# Altium PCB CM3_IO_V1.3_20220317.PcbDoc (part 6 of 7) (continued)
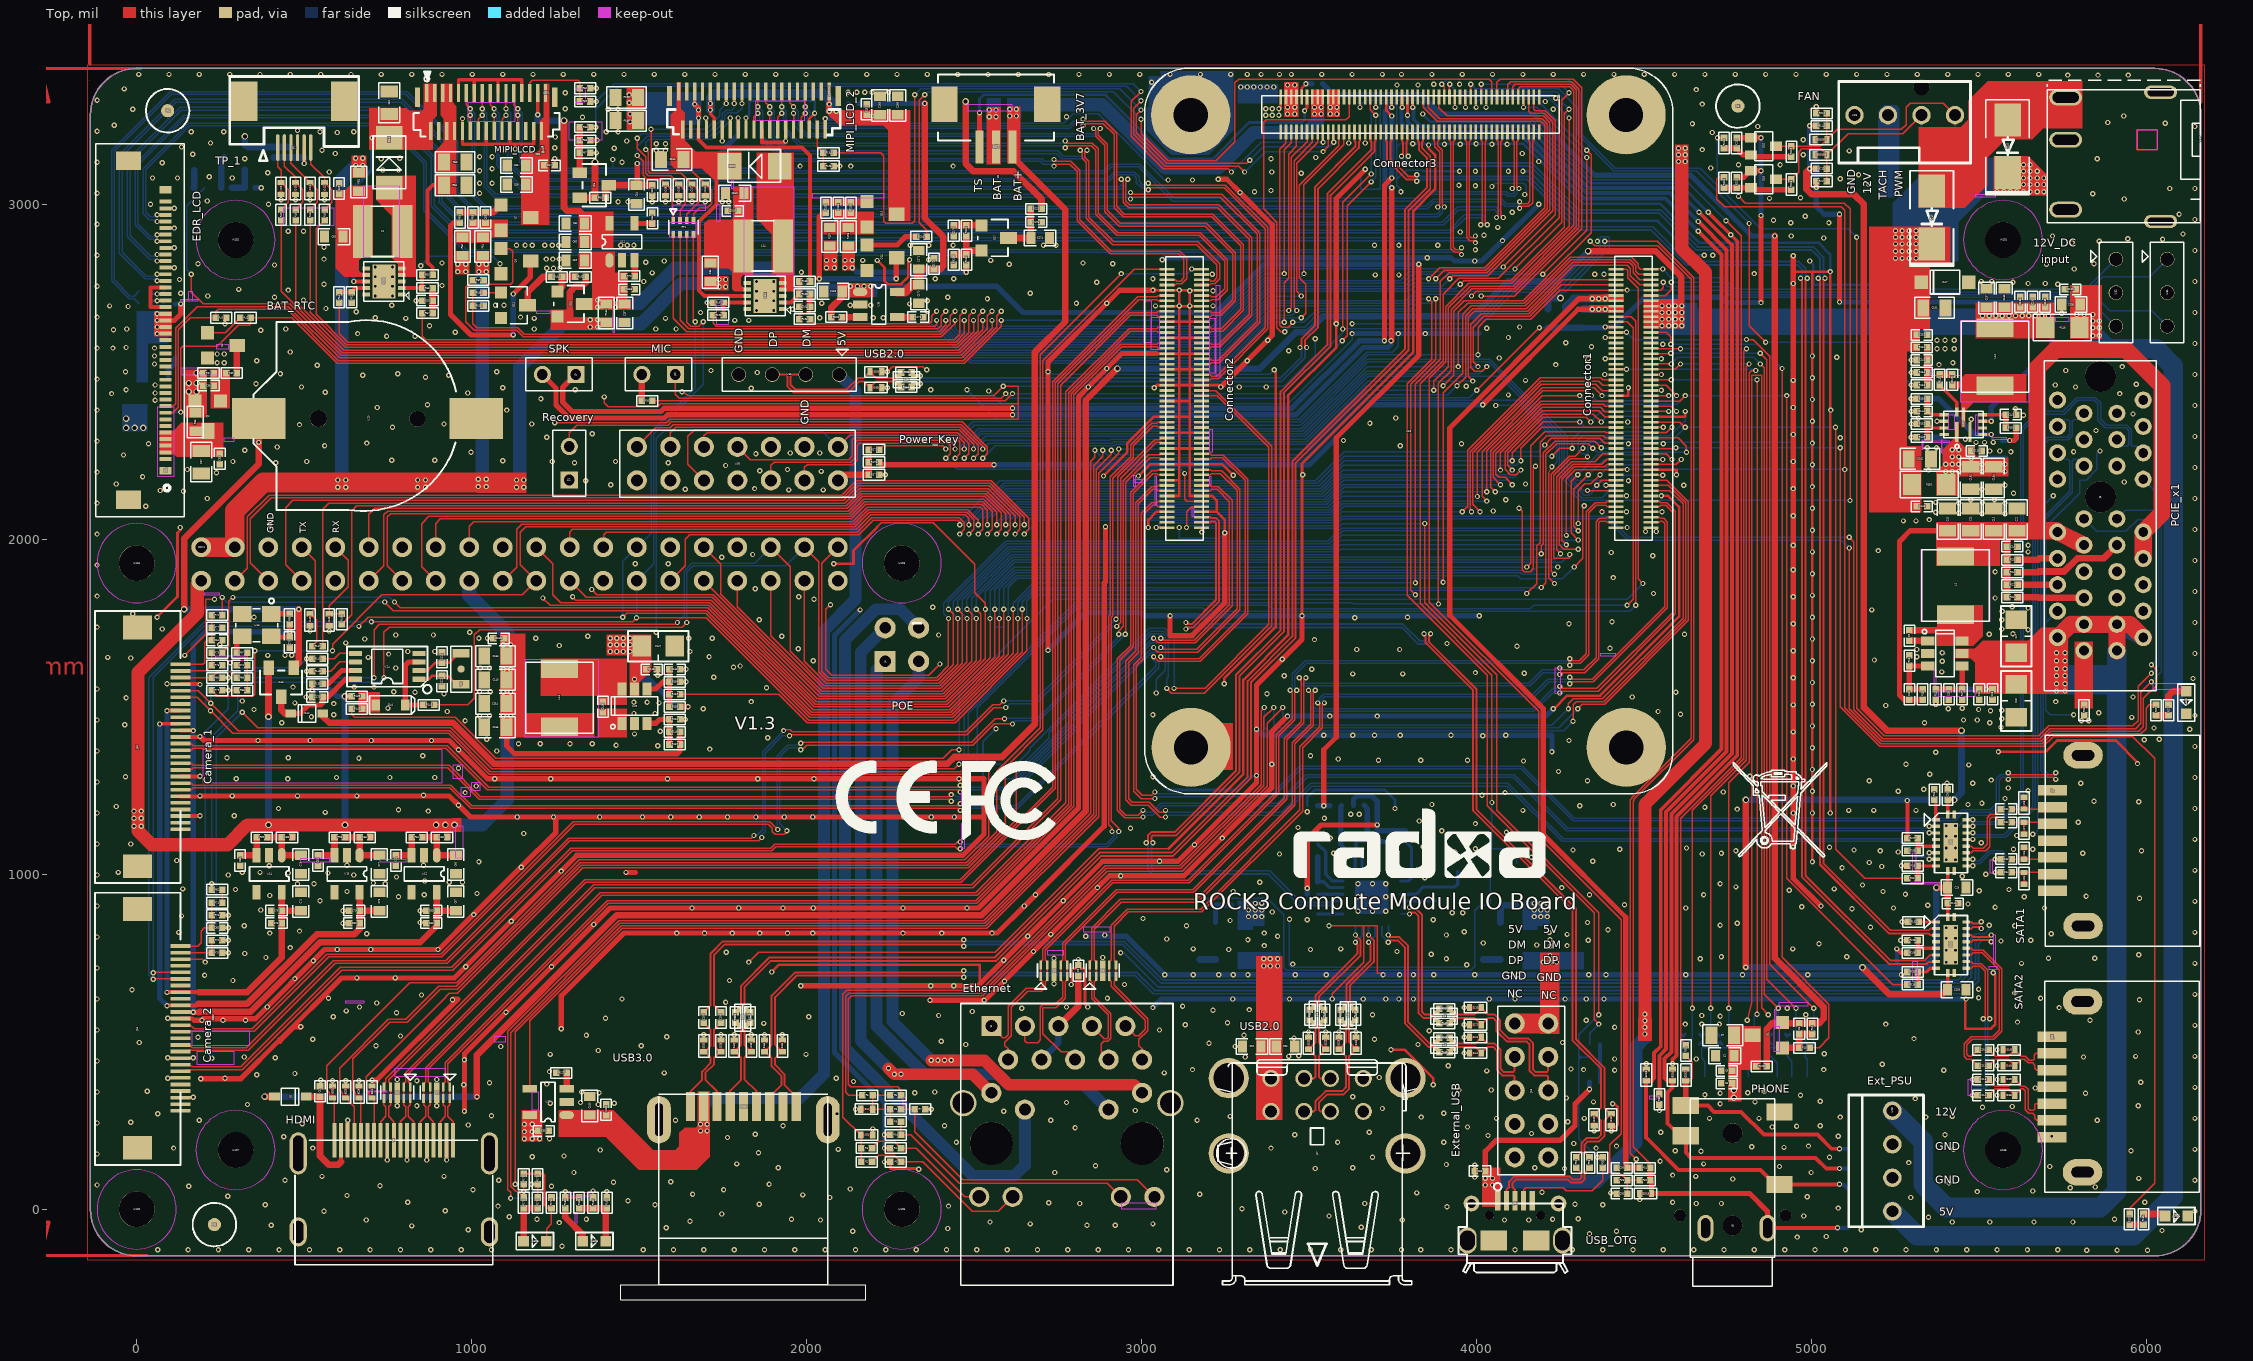
[diagram p0: Top view]
## Nets (pads, with @x,y where several pads share a name; then routed paths per layer and width w, separated by ;. In a path a pad name is that pad's centre, name@x,y a point inside that pad or via, vN(x,y) a via of type N, cw(c..) or ccw(c..) an arc to the next point about the centre after c; other vN are vias at no path point) (continued)
  Top w3.94: v1(-7.87,1143.7) 3.94,1143.7 ; v1(-7.87,1188.98) -6.12,1188.98 3.94,1178.92
  Top w9.84: C109.1@5405.51,655.51 U22.9@5405.51,705.51 ; U22.20@5405.51,873.23 C111.1@5405.51,913.39 ; C29.1@5405.51,960.63 U8.9@5405.51,1010.63 ; U8.20@5405.51,1178.35 C30.1@5405.51,1222.44
  Top w11.81: v1(5253.94,777.56) 5265.75,765.75 R209.1@5285.43,765.75 ; R207.1@5285.43,1108.27 v1(5285.43,1220.47)
  Top w15.75: v1(523.62,1551.18) R138.2@523.62,1568.9 ; C155.1@1104.33,1438.98 1104.33,1383.86 1127.95,1360.24 1614.17,1360.24 1622.05,1368.11 R157.1@1622.05,1387.8 C148.1@1622.05,1425.2 ; R63.2@1354.33,3190.94 v1(1374.02,3190.94) ; v1(2232.28,183.07) R4.2@2250,183.07 ; v1(2232.28,222.44) R10.2@2250,222.44 ; v1(4994.09,3106.3) R213.1@5013.78,3106.3 ; v1(4994.09,3234.25) R144.1@5013.78,3234.25 ; C30.1@5405.51,1222.44 v2(5425.2,1222.44)
  Top w19.68: v2(393.7,1470.47) D43.2@393.7,1616.14 ; FB3.1@464.57,1110.24 464.57,1147.64 ; v2(622.05,1531.5) R139.1@641.73,1531.5 ; FB4.1@696.85,1110.24 696.85,1147.64 ; FB2.1@927.17,1110.24 v2@927.17,1147.64 ; Q6.2@1322.83,3019.69 R61.1@1368.11,3019.68 v2(1368.11,3125.98) ; v1(4803.15,722.44) v2(4803.15,1222.44) ; v1(4994.09,3106.3) 4984.25,3096.46 4984.25,3045.28 5000,3029.53 5125.98,3029.53 5155.51,3000 5155.51,1498.03 5224.41,1429.13 v2(5446.85,1429.13) ; v2(5151.57,722.44) 5232.28,641.73 5389.76,641.73 5401.57,653.54 C109.1@5405.51,655.51 ; v2(5372.05,960.63) C29.1@5402.69,960.63 ; C111.1@5405.51,913.39 C29.1@5405.51,959.77 ; C29.1@5402.69,960.63 C29.1@5405.51,960.63 C29.1@5405.51,959.77 ; C29.1@5402.69,960.63 C29.1@5405.51,959.77
  Top w39.37: CON1.1@192.91,1876.38 181.1,1864.57 181.1,1779.53 3.94,1602.36 3.94,1178.92 3.94,1143.7 3.94,1129.92 45.28,1088.58 271.65,1088.58 330.71,1147.64 v2(393.7,1147.64) 464.57,1147.64 v2(622.05,1147.64) 696.85,1147.64 v2(893.7,1147.64) v2(921.26,1147.64) 927.17,1147.64 v2(948.82,1147.64)
  Bottom w3.94: v1(1094.49,1543.31) 1106.3,1555.12 1108.27,1557.09 1108.27,1561.02 1106.3,1562.99 ; v1(1094.49,1612.2) 1106.3,1600.39
  Bottom w11.81: 5253.94,722.44 v1(5253.94,777.56) ; v1(5285.43,1220.47) v1@5285.43,1222.44
  Bottom w15.75: R47.2@354.33,3049.21 v1(372.05,3049.21) ; v1(523.62,1551.18) 578.74,1551.18 598.43,1531.5 v2(622.05,1531.5) ; v1(2159.45,1789.37) 2082.68,1712.6 2082.68,468.5 2232.28,318.9 v1(2232.28,183.07) ; v1(4994.09,3106.3) v1(4994.09,3234.25)
  Bottom w19.68: v2(322.83,3202.76) Q4.2@322.83,3177.16 326.77,3177.16 332.68,3171.26 R44.1@460.63,3171.26 ; v2(393.7,1147.64) v2(393.7,1470.47) ; v2(622.05,1147.64) v2(622.05,1531.5) ; R169.2@4212.6,2687.01 4212.6,2710.63 4222.44,2720.47 v2(4250,2720.47) ; v1(4803.15,722.44) v2(5151.57,722.44) 5253.94,722.44 5336.61,722.44 5372.05,757.87 v2(5372.05,960.63) ; v2(4803.15,1222.44) 5285.43,1222.44 v2(5425.2,1222.44) 5446.85,1244.09 v2(5446.85,1429.13)
  Bottom w31.5: 1106.3,1608.27 v1@1112.2,1608.27
  Bottom w39.37: v2(893.7,1147.64) v2(921.26,1147.64) v2(948.82,1147.64) 1031.5,1147.64 1106.3,1222.44 1106.3,1555.12 1106.3,1562.99 1106.3,1600.39 1106.3,1608.27
  Bottom w43.31: CON1.17@992.91,1876.38 992.91,1832.68 1106.3,1719.29 1106.3,1608.27
  other v1: 13.78,1143.7 -7.87,1167.32 13.78,1167.32 13.78,1188.98 1094.49,1472.44 1116.14,1472.44 1116.14,1543.31 1116.14,1612.2 1094.49,1685.04 1116.14,1685.04 958.66,2799.21 982.28,2799.21 2059.06,2811.02 2082.68,2811.02 958.66,2820.87 982.28,2820.87 2059.06,2832.68 2082.68,2832.68
  other v2: -31.5,2332.68 -5.91,2332.68 19.69,2332.68 -31.5,2360.24
VCC3V3_TP: C48.1 J12.2 Q4.3 R44.2 | length 155.5
  Top w9.84: v1(500,3122.05) J12.2@500,3169.29
  Bottom w15.75: v1(500,3122.05) C48.1@500,3139.76
  Bottom w19.68: Q4.3@409.45,3139.76 R44.2@460.63,3139.76 C48.1@500,3139.76
VCC5V0_USB: C91.1 C95.1 C99.1 C130.1 C131.1 CON1.2 CON1.4 FB1.1 FB5.1 Q10.2 R64.1 R113.1 R118.1 R148.1 R162.2 R163.2 R198.1 R211.1 R217.1 R223.1 U18.5 U19.5 U20.5 U28.4 | length 10306.3
  Top w3.94: v1(600.39,2155.51) 600.39,2169.29 v1(600.39,2177.17) 608.27,2169.29 610.24,2167.32 612.2,2169.29 620.08,2177.17 v1(624.02,2177.17) 624.02,2169.29 v1(624.02,2155.51) ; v1(838.58,2155.51) 848.76,2165.69 ; v1(838.58,2177.17) 838.58,2175.87 845.16,2169.29 848.76,2165.69 ; 850.39,2169.29 850.39,2167.32 848.76,2165.69 ; 860.24,2169.29 862.2,2167.32 ; v1(862.2,2155.51) 862.2,2167.32 ; v1(862.2,2177.17) 862.2,2169.29 862.2,2167.32 ; v1(1019.69,2157.48) 1031.5,2169.29 1041.34,2179.13 v1(1043.31,2179.13) 1043.31,2177.17 v1(1133.86,2177.17)
  Top w15.75: v1(2476.38,2797.24) R223.1@2476.38,2818.9 ; v1(5013.78,3051.18) R217.1@5013.78,3068.9 ; R211.1@5013.78,3271.65 v1(5013.78,3291.34) ; v1(5082.68,2708.66) v1(5082.68,2970.47)
  Top w19.68: Q10.2@1256.28,2665.26 1256.37,2665.35 1283.46,2665.35 1293.31,2675.2 1293.31,2738.19 1309.06,2753.94 1328.74,2753.94 1340.55,2765.75 R163.2@1340.55,2783.46
  Top w59.06: CON1.2@192.91,1976.38 CON1.4@292.91,1976.38 292.91,2084.25 377.95,2169.29 600.39,2169.29 608.27,2169.29 612.2,2169.29 624.02,2169.29 845.16,2169.29 850.39,2169.29 860.24,2169.29 862.2,2169.29 1017.72,2169.29 1031.5,2169.29
  Power w3.94: v1(1738.19,2753.94) 1748.03,2763.78 1748.03,2765.75 ; v1(2114.17,2832.68) 2125.98,2820.87
  Power w39.37: 1748.03,2765.75 1748.03,2789.37 1765.75,2807.09 1923.23,2807.09 1988.19,2742.13 2064.96,2742.13 2125.98,2803.15 2125.98,2820.87
  Bottom w3.94: v1(600.39,2155.51) 612.2,2167.32 ; 612.2,2167.19 623.89,2155.51 v1(624.02,2155.51) ; 663.39,3125.98 v1(675.2,3137.8) ; v1(1019.69,2157.48) 1030.81,2168.6 ; v1(1019.69,2179.13) 1020.27,2179.13 1030.81,2168.6 ; v1(1021.65,2820.87) 1031.5,2811.02 ; 1030.5,2168.3 1031.37,2168.3 ; 1031.5,2171.26 1031.5,2169.29 1030.81,2168.6 ; v1(1043.31,2157.48) 1042.19,2157.48 1031.37,2168.3 ; v1(1043.31,2179.13) 1032.47,2168.3 1031.37,2168.3 ; v1(1133.86,2155.51) 1145.67,2167.32 1143.7,2167.32 ; v1(1375.98,2633.86) 1375.98,2643.7 ; 1748.03,2763.78 v1(1757.87,2753.94) ; 5812.99,2637.8 v1(5812.99,2671.26)
  Bottom w15.75: v1(2135.83,2811.02) 2149.61,2797.24 v1(2476.38,2797.24) ; v1(5013.78,3291.34) v1(5013.78,3051.18) 5013.78,2994.09 5037.4,2970.47 v1(5082.68,2970.47) ; v1(5082.68,2708.66) 5773.62,2708.66 5791.34,2690.94 v1(5791.34,2671.26)
  Bottom w39.37: 612.2,2165.35 612.2,2167.19 612.2,2167.32 612.2,3074.8 v1(653.54,3116.14) 663.39,3125.98 ; 1031.5,2171.26 1031.5,2811.02 ; 1143.7,2167.32 1143.7,2513.78 1273.62,2643.7 1375.98,2643.7 1505.91,2643.7 1625.98,2763.78 1748.03,2763.78
  Bottom w59.06: U28.4@5240.55,-5.51 5313.78,-78.74 5960.63,-78.74 6078.74,39.37 6078.74,2517.72 6027.56,2568.9 5881.89,2568.9 5812.99,2637.8
  other v1: 1157.48,210.63 1181.1,210.63 1202.76,210.63 1157.48,232.28 1181.1,232.28 1157.48,253.94 1181.1,253.94 3318.9,874.02 3338.58,874.02 3358.27,874.02 4171.26,874.02 4190.94,874.02 4210.63,874.02 3318.9,893.7 3338.58,893.7 3358.27,893.7 4171.26,893.7 4190.94,893.7 4210.63,893.7 3318.9,913.39 3338.58,913.39 3358.27,913.39 4171.26,913.39 4190.94,913.39 4210.63,913.39 1155.51,2155.51 1155.51,2177.17 5838.58,2608.27 5858.27,2608.27 5838.58,2631.89 5858.27,2631.89 1354.33,2633.86 5838.58,2651.57 5858.27,2651.57 1354.33,2655.51 1375.98,2655.51 5838.58,2671.26 1738.19,2775.59 1757.87,2775.59 1021.65,2799.21 1043.31,2799.21 2114.17,2811.02 1043.31,2820.87 2135.83,2832.68 675.2,3116.14 653.54,3137.8
VCC5V0_USB1: C92.1 C93.1 C94.1 J17.1 J17.5 U18.1
  other v1: 3364.17,726.38 3383.86,726.38 3405.51,726.38 3364.17,748.03 3383.86,748.03 3405.51,748.03
VCC5V0_USB2: C96.1 C97.1 C98.1 J18.1 J18.2 U19.1 | length 100
  Top w59.06: J18.1@4113.39,555.12 J18.2@4213.39,555.12
  other v1: 4198.82,738.19 4218.5,738.19 4238.19,738.19 4218.5,757.87
VCC5V_P: C59.1 C85.1 C157.1 C158.1 C169.1 L4.1 Q10.3 R70.1 R162.1 R205.1 U11.1 U35.1 | length 4497.3
  Top w15.75: v1(3543.31,1204.72) 3543.31,1372.05 3580.71,1409.45 3580.71,2303.15 3826.77,2549.21 v1(3826.77,2820.87)
  Top w19.68: R205.1@2072.83,2663.39 2072.83,2690.58 C169.1@2106.66,2724.41
  Bottom w3.94: v1(1375.98,2714.57) 1385.83,2704.72 ; 2129.92,2744.09 v1(2129.92,2755.91) ; 2149.93,2744.09 2151.57,2745.73 v1(2151.57,2755.91) ; 2190.94,2744.09 v1(2190.94,2755.91)
  Bottom w15.75: v1(2190.94,2755.91) 2566.93,2755.91 2645.67,2677.17 3220.96,2677.17 3364.66,2820.87 v1(3826.77,2820.87) ; C85.1@3525.59,1204.72 v1(3543.31,1204.72) L4.1@3561.02,1204.72
  Bottom w39.37: 1385.83,2704.72 1501.97,2704.72 1606.3,2809.06 1919.29,2809.06 1984.25,2744.09 2129.92,2744.09 2149.93,2744.09 2190.94,2744.09
  other v1: 1375.98,2692.91 1429.13,2692.91 1429.13,2714.57 2171.26,2755.91
VCC12V: C10.1 C11.1 C27.1 C28.1 C38.1 C126.1 C127.1 C132.1 C133.1 C134.1 C146.1 C147.1 J6.A2 J6.A3 J6.B1 J6.B2 J6.B3 Q2.2 R14.1 R36.1 R37.1 R149.2 R150.1 R158.1 U7.5 U26.2 U27.1 U28.1 U29.5 | length 3846.5
  Top w15.75: U29.5@1486.22,1553.15 v1(1486.22,1582.68) ; R158.1@1622.05,1500 v1(1645.67,1500) ; v1(5297.24,2305.12) R149.2@5312.99,2305.12 ; v1(5370.08,1507.87) R14.1@5370.08,1521.65 ; C11.1@5500,1553.15 v1(5521.65,1553.15)
  Top w51.18: J6.A2@5733.46,1707.09 5772.44,1746.06 J6.B3@5910.63,1746.06 ; J6.B1@5910.63,1667.72 J6.B3@5910.63,1746.06 ; J6.B3@5910.63,1746.46 J6.B3@5910.63,1746.06 ; J6.B2@5989.37,1707.09 5950.39,1746.06 J6.B3@5910.63,1746.06
  Bottom w15.75: v1(1486.22,1582.68) 1529.53,1582.68 1612.2,1500 v1(1645.67,1500) ; v1(5297.24,2305.12) 5381.89,2305.12 v1(5419.29,2267.72) ; v1(5370.08,1507.87) 5370.08,1535.43 5387.8,1553.15 v1(5521.65,1553.15)
  Bottom w51.18: J6.A2@5733.46,1707.09 5772.83,1746.46 J6.A3@5812.2,1746.46 J6.B3@5910.63,1746.46 ; J6.B1@5910.63,1667.72 J6.B3@5910.63,1746.46 ; J6.B2@5989.37,1707.09 J6.B3@5910.63,1746.46
  Bottom w59.06: U28.1@5240.55,294.49 5332.68,202.36 5332.68,74.8 5401.57,5.91 5861.42,5.91 5910.63,55.12 J6.B1@5910.63,1667.72
  other v1: 5730.31,1547.24 5755.91,1547.24 5730.31,1568.9 5755.91,1568.9 5730.31,1592.52 5755.91,1592.52 5730.31,1614.17 5755.91,1614.17 5730.31,1637.8 5755.91,1637.8 5730.31,1661.42 5755.91,1661.42 1413.39,1665.35 1433.07,1665.35 1452.76,1665.35 1472.44,1665.35 1413.39,1685.04 1433.07,1685.04 1452.76,1685.04 1472.44,1685.04 1413.39,1704.72 1433.07,1704.72 1452.76,1704.72 1472.44,1704.72 5399.61,2202.76 5419.29,2202.76 5438.98,2202.76 5507.87,2202.76 5576.77,2202.76 5399.61,2224.41 5419.29,2224.41 5438.98,2224.41 5507.87,2224.41 5576.77,2224.41 5476.38,2242.13 5419.29,2246.06 5438.98,2246.06 5438.98,2267.72
  other v2: 155.51,2440.94 179.13,2440.94 155.51,2466.54 179.13,2466.54 179.13,2496.06
VCC12V_DCIN: C140.1 C142.1 C151.2 C152.1 D45.2 D46.2 D47.2 P5.1 R150.2 R151.2 TP9.1 | length 37.4
  Top w19.68: R151.2@5312.99,2572.83 C152.1@5312.99,2610.24
  other v1: 5250,2838.58 5269.69,2838.58 5291.34,2838.58 5311.02,2838.58 5250,2860.24 5269.69,2860.24 5291.34,2860.24 5311.02,2860.24 5250,2881.89 5269.69,2881.89 5291.34,2881.89 5311.02,2881.89 5250,2901.57 5269.69,2901.57 5291.34,2901.57 5311.02,2901.57 5250,2921.26 5269.69,2921.26 5291.34,2921.26 5311.02,2921.26 5553.15,3037.4 5572.83,3037.4 5592.52,3037.4 5612.2,3037.4 5631.89,3037.4 5651.57,3037.4 5673.23,3037.4 5692.91,3037.4 5631.89,3059.06 5651.57,3059.06 5673.23,3059.06 5692.91,3059.06 5631.89,3078.74 5651.57,3078.74 5673.23,3078.74 5692.91,3078.74 5631.89,3098.43 5651.57,3098.43 5673.23,3098.43 5631.89,3118.11 5651.57,3118.11
VCC12V_LCD: C37.1 C39.1 J11.36 J11.37 J11.38 J11.39 Q2.3 R36.2
VCC_1V8_1: C60.1 C61.1 C62.1 LCD1.29 U11.5 | length 569.7
  Top w9.84: v1(1196.85,3267.72) LCD1.29@1196.85,3332.68
  Top w19.68: v2(1275.59,3250) 1275.59,2990.16 1285.43,2980.31 1320.87,2980.31 1336.61,2964.57 C61.1@1336.61,2942.91
  Top w27.56: C60.1@1336.61,2887.8 C61.1@1336.61,2942.91
  Bottom w19.68: v1(1196.85,3267.72) C62.1@1196.85,3250 v2(1275.59,3250)
VCC_1V8_2: C170.1 C171.1 C172.1 R9210.1 U35.5 | length 903.2
  Top w19.68: C171.1@2334.65,2807.09 C172.1@2379.92,2807.09 2399.61,2807.09 2407.48,2814.96 2407.48,2903.54 2352.36,2958.66 v1(2352.36,3301.18)
  Top w27.56: U35.5@2269.68,2738.19 2293.31,2738.19 2314.96,2759.84 C170.1@2334.65,2759.84 C171.1@2334.65,2807.09
  Bottom w15.75: R9210.1@2155.51,3301.18 v1(2352.36,3301.18)
VCC_3_3V: L3.2 R91.1 R94.1 R96.1 R105.1 R106.1 | length 699
  Top w15.75: v1(3494.09,958.66) v1(3494.09,1106.3) 3535.43,1147.64 v1(3702.76,1147.64)
  Bottom w15.75: R106.1@3494.09,940.94 v1(3494.09,958.66) R94.1@3494.09,978.35 ; R105.1@3494.09,1090.55 v1(3494.09,1106.3) ; L3.2@3631.89,1206.69 3631.89,1224.41 3641.73,1234.25 3687.01,1234.25 3702.76,1218.5 v1(3702.76,1147.64) R91.1@3702.76,1129.92 R96.1@3787.4,1129.92
VCC_LCD_MIPI: C56.1 C57.1 C58.1 LCD1.30 LCD1.31 Q7.3 | length 222.4
  Top w9.84: LCD1.30@1208.66,3219.5 1208.66,3244.09 1220.47,3255.91 LCD1.31@1220.47,3332.68
  Top w19.68: C56.1@1161.42,3116.14 C57.1@1208.66,3116.14
  Top w27.56: C58.1@1161.42,3059.06 C56.1@1161.42,3116.14
VCC_LCD_MIPI_2: C166.1 C167.1 C168.1 Q13.3 R9211.1 U90074.1 U90074.30 U90074.31 | length 671.9
  Top w9.84: v1(1712.6,3281.5) 1712.6,3269.68 1724.41,3257.87 U90074.30@1724.41,3223.43 ; v1(1712.6,3301.18) U90074.31@1712.6,3336.61 ; v1(2066.93,3299.21) U90074.1@2066.93,3336.61
  Top w15.75: v1(1712.6,3281.5) v1(1712.6,3301.18) ; v1(2194.88,3263.78) 2198.82,3267.72 C168.1@2218.5,3267.72
  Bottom w3.94: 2070.87,3289.37 2076.77,3289.37 v1(2088.58,3277.56)
  Bottom w15.75: R9211.1@2155.51,3263.78 v1(2194.88,3263.78)
  Bottom w27.56: v1(1712.6,3281.5) 1712.6,3318.9 1724.41,3330.71 2049.21,3330.71 2070.87,3309.06 2070.87,3289.37
  other v1: 2066.93,3277.56
VCC_LDO5V: P4.1 R155.1 | length 75.3
  Top w15.75: v1(5590.55,2295.28) 5604.33,2295.28 5610.24,2301.18 R155.1@5610.24,2332.68
  Bottom w15.75: P4.1@5568.9,2295.28 v1(5590.55,2295.28)
VCC_LEDA1: C51.1 D13.2 LCD1.1 LCD1.2 LCD1.3 U10.8 | length 540.5
  Top w11.81: v1(647.64,2769.68) U10.8@685.04,2769.68
  Top w15.75: v1(702.76,3198.82) D13.2@753.94,3198.82
  Bottom w11.81: v1(647.64,2769.68) 647.64,3049.21 702.76,3104.33 v1(702.76,3198.82)
VCC_LEDA2: C161.1 D50.2 U34.8 U90074.38 U90074.39 | length 700.9
  Top w9.84: U90074.39@1618.11,3336.61 1618.11,3281.5 1629.92,3269.68 U90074.38@1629.92,3223.43
  Top w11.81: D50.2@1769.69,3114.17 1730.31,3114.17 1730.31,3000 1679.13,2948.82 1679.13,2742.13 1694.88,2726.38 U34.8@1822.83,2726.38
VCC_LEDK1: LCD1.5 LCD1.6 LCD1.7 LCD1.8 R53.2 R55.1 R56.1 | length 314.2
  Top w11.81: R53.2@883.86,2789.37 883.86,2811.02 868.11,2826.77 868.11,3041.34 883.86,3057.09 R55.1@917.32,3057.09
VCC_LEDK2: R188.2 R189.1 R192.1 U90074.34 U90074.35 | length 876.8
  Top w9.84: v1(1665.35,3299.21) U90074.35@1665.35,3336.61 ; U90074.34@1677.17,3223.43 v1(1677.17,3257.87)
  Top w11.81: U90074.34@1677.17,3223.43 1677.17,3192.91 1700.79,3169.29 1986.22,3169.29 2009.84,3145.67 R188.2@2009.84,2769.68
  Top w15.75: v1(1665.35,3299.21) 1677.17,3287.4 v1(1677.17,3281.5) v1(1677.17,3257.87)
  other v1: 1472.44,3246.06 1472.44,3269.68 1470.47,3303.15 1470.47,3326.77
VCC_RTC: C125.1 D42.2 D43.3 U24.8 | length 317.5
  Top w15.75: D42.2@460.63,1480.31 488.19,1480.31 513.78,1505.91 549.21,1505.91 555.12,1511.81 C125.1@555.12,1529.53 570.87,1529.53 624.13,1582.79 U24.8@653.53,1582.79
  Top w19.68: D43.3@431.1,1529.52 431.1,1492.13 442.91,1480.31 D42.2@460.63,1480.31
VCC_TP: C52.1 C54.1 Q6.3 R61.2 U90074.24 | length 658.2
  Top w9.84: U90074.24@1795.28,3223.43 v1(1795.28,3257.87)
  Top w15.75: C54.1@1494.09,3057.09 v1(1494.09,3122.05)
  Top w19.68: R61.2@1399.61,3019.68 1399.61,3047.24 Q6.3@1409.45,3057.09 C54.1@1492.13,3057.09 1494.09,3057.09 C52.1@1539.37,3057.09
  Bottom w15.75: v1(1494.09,3122.05) 1710.63,3122.05 1795.28,3206.69 v1(1795.28,3257.87)
VCCIO_SD: C6.1 Q1.2 R12.1 R184.1 R220.1 | length 4231.6
  Top w19.68: R220.1@4866.14,427.17 4866.14,539.37 4884.46,557.68 Q1.2@4912.64,557.68 4920.66,557.68 4923.23,555.12 C6.1@4962.6,555.12 R12.1@5001.97,555.12 5021.65,555.12 5035.43,568.9 5035.43,604.33 4889.76,750 v1(4889.76,2905.51)
  Bottom w15.75: R184.1@3539.37,3360.24 3572.83,3326.77 3834.65,3326.77 3891.73,3269.68 4169.29,3269.68 4352.36,3086.61 4639.76,3086.61 4820.87,2905.51 v1(4889.76,2905.51)
VD33: C83.2 L3.1 U17.20 | length 228.1
  Bottom w9.84: C83.2@3639.76,1102.36 3639.76,1074.8 3657.48,1057.09 U17.20@3657.48,1017.72
  Bottom w15.75: C83.2@3639.76,1102.36 3663.39,1102.36 3673.23,1112.2 3673.23,1196.85 L3.1@3663.39,1206.69
WL_NDIS: U31.1 U33.89 | length 1623
  Top w3.94: U33.89@4520.47,2727.76 4562.99,2727.76 4580.71,2745.47 v1(4580.71,2767.72)
  Bottom w3.94: v1(4580.71,2767.72) 4738.86,2767.72 4768.39,2738.19 5822.83,2738.19 5868.11,2783.46 6008.27,2783.46 U31.1@6061.02,2836.22
XRSTJ: R106.2 U17.16 | length 74.8
  Bottom w9.84: R106.2@3525.59,940.94 U17.16@3600.39,940.94
pads on no net: BAT1.4 BAT1.5 CN14A1.14 CN14A1.15 H100.1 H101.1 H102.1 H103.1 H104.1 H105.1 H106.1 H107.1 J1.14 J3.21 J3.22 J6.A7 J6.B5 J6.B6 J6.B17 J6.C1 J6.C2 J8.1 J8.7 J8.8 J11.1 J11.22 J11.27 J11.34 J11.35 J11.40 J11.41 J11.42 J14.7 J14.9 J14.15 J14.22 J14.23 J14.25 J14.26 J15.7 J15.9 J15.15 J15.22 J15.23 J15.25 J15.26 J16.10 J16.11 J16.12 J16.13 J18.9 J18.10 J24.16 J24.91 LCD1.4 LCD1.26 LCD1.32 LCD1.33 M1.1 M2.1 M3.1 M4.1 M5.1 U10.1 U10.3 U10.6 U10.10 U12.4 U14.4 U15.4 U17.2 U17.22 U17.23 U17.24 U23.3 U23.4 U26.5 U27.4 U27.12 U33.64 U33.68 U33.70 U33.72 U33.73 U33.104 U33.106 U33.133 U33.135 U33.139 U33.141 U33.143 U33.145 U33.146 U33.147 U33.148 U33.149 U33.152 U33.154 U33.158 U33.160 U33.164 U33.166 U34.1 U34.3 U34.6 U34.10 U90074.3 U90074.5 U90074.36 U90074.37 Y2.3

## Polygon pours and split planes (outlines as drawn)
GND on Power (solid, remove dead copper, pour order 6): -163.39,1177.17 -163.39,1139.76 -110.24,1139.76 -110.24,1177.17
VCC3V3_SYS on Power (solid, remove dead copper, pour order 4): -104.33,1129.92 124.02,1129.92 124.02,2586.61 1541.34,2586.61 1541.34,1773.62 5187.01,1773.62 5187.01,3374.02 1.97,3374.02 -104.33,3267.72
GND on Power (solid, remove dead copper, pour order 2): -110.24,1124.02 -110.24,1153.54 -163.39,1153.54 -163.39,-165.35 6188.98,-165.35 6188.98,3431.1 -163.39,3431.1 -163.39,1163.39 -110.24,1163.39 -110.24,3267.72 1.97,3379.92 5192.91,3379.92 5192.91,3318.9 5779.53,3318.9 5779.53,2688.98 6133.86,2688.98 6133.86,-3.94 6039.37,-98.43 124.02,-98.43 124.02,1124.02
VCC5V0_USB on Power (solid, remove dead copper, pour order 1): 6127.95,0 6127.95,2683.07 5779.53,2683.07 5779.53,935.04 4027.56,935.04 4027.56,870.08 3438.98,870.08 3374.02,935.04 877.95,935.04 877.95,2192.91 129.92,2192.91 129.92,-92.52 6035.43,-92.52
VCC12V on Power (solid, remove dead copper, pour order 0): 5192.91,3312.99 5192.91,1767.72 1535.43,1767.72 1535.43,2580.71 129.92,2580.71 129.92,2198.82 883.86,2198.82 883.86,940.94 3377.95,940.94 3442.91,875.98 4021.65,875.98 4021.65,940.94 5773.62,940.94 5773.62,3312.99
GND on Top (solid, remove dead copper, pour order 3): -147.64,3415.35 -147.64,-149.61 6173.23,-149.61 6173.23,3415.35
GND on Bottom (solid, remove dead copper, pour order 5): -171.26,3438.98 -171.26,-173.23 6196.85,-173.23 6196.85,3438.98
GND on GND (split plane): 6050.96,3403.15 6068.4,3398.48 6085.09,3391.57 6100.73,3382.53 6115.07,3371.54 6127.84,3358.77 6138.83,3344.44 6147.87,3328.79 6154.78,3312.1 6159.45,3294.66 6161.81,3276.75 6161.81,3267.72 6161.81,-0.79 6161.81,-9.82 6159.45,-27.73 6154.78,-45.18 6147.87,-61.86 6138.83,-77.51 6127.84,-91.84 6115.07,-104.61 6100.73,-115.61 6085.09,-124.64 6068.4,-131.55 6050.96,-136.23 6033.05,-138.58 -9.03,-138.58 -26.94,-136.23 -44.39,-131.55 -61.08,-124.64 -76.72,-115.61 -91.05,-104.61 -103.82,-91.84 -114.82,-77.51 -123.85,-61.86 -130.76,-45.18 -135.44,-27.73 -137.8,-9.82 -137.8,-0.79 -137.8,3267.72 -137.8,3276.75 -135.44,3294.66 -130.76,3312.1 -123.85,3328.79 -114.82,3344.44 -103.82,3358.77 -91.05,3371.54 -76.72,3382.53 -61.08,3391.57 -44.39,3398.48 -26.94,3403.15 -9.03,3405.51 6033.05,3405.51

## Keep-outs
Top:
  region: 5444.88,2653.54 5647.64,2653.54 5647.64,2409.45 5444.88,2409.45 5444.88,2653.54
  region: 3202.76,2659.45 3218.5,2659.45 3218.5,2496.06 3202.76,2496.06 3202.76,2659.45
  region: 5466.54,387.8 5476.38,387.8 5476.38,338.58 5466.54,338.58 5466.54,387.8
  region: 4901.57,608.27 4990.16,608.27 4990.16,616.14 4901.57,616.14 4901.57,608.27
  region: 4887.8,541.34 4893.7,541.34 4893.7,596.46 4887.8,596.46 4887.8,541.34
  region: 1742.13,2998.03 1730.31,2998.03 1730.31,2948.82 1742.13,2948.82 1742.13,2998.03
  region: 5533.46,1043.31 5539.37,1043.31 5539.37,1003.94 5533.46,1003.94 5533.46,1043.31
  region: 1590.55,2946.85 1669.29,2946.85 1669.29,2901.57 1590.55,2901.57 1590.55,2946.85
  region: 181.1,472.44 289.37,472.44 289.37,431.1 181.1,431.1 181.1,472.44
  region: 5372.05,1610.24 5364.17,1610.24 5364.17,1564.96 5372.05,1564.96 5372.05,1610.24
  region: 488.19,1037.4 576.77,1037.4 576.77,1047.24 488.19,1047.24 488.19,1037.4
  region: 2614.17,3297.24 2480.31,3297.24 2480.31,3279.53 2614.17,3279.53 2614.17,3297.24
  region: 1602.36,2998.03 1696.85,2998.03 1696.85,2980.31 1602.36,2980.31 1602.36,2998.03
  region: 5537.4,2299.21 5582.68,2299.21 5582.68,2303.15 5537.4,2303.15 5537.4,2299.21
  region: 246.06,1832.68 202.76,1832.68 202.76,1840.55 246.06,1840.55 246.06,1832.68
  region: 5332.68,2295.28 5328.74,2295.28 5328.74,2269.68 5332.68,2269.68 5332.68,2295.28
  region: 4887.8,547.24 4903.54,547.24 4903.54,470.47 4887.8,470.47 4887.8,547.24
  region: 259.84,2293.31 291.34,2293.31 291.34,2301.18 259.84,2301.18 259.84,2293.31
  region: 1291.34,51.18 1352.36,51.18 1352.36,39.37 1291.34,39.37 1291.34,51.18
  region: 4370.08,1659.45 4413.39,1659.45 4413.39,1651.57 4370.08,1651.57 4370.08,1659.45
  region: 198.82,1374.02 911.42,1374.02 911.42,1271.65 198.82,1271.65 198.82,1374.02
  region: 5330.71,2289.37 5411.42,2289.37 5411.42,2293.31 5330.71,2293.31 5330.71,2289.37
  region: 234.25,1639.76 324.8,1639.76 324.8,1651.57 234.25,1651.57 234.25,1639.76
  region: 5354.33,2507.87 5446.85,2507.87 5446.85,2488.19 5354.33,2488.19 5354.33,2507.87
  region: 62.99,2395.67 110.24,2395.67 110.24,2187.01 62.99,2187.01 62.99,2395.67
  region: 1812.99,3053.15 1960.63,3053.15 1960.63,2791.34 1812.99,2791.34 1812.99,3053.15
  region: 155.51,2740.16 165.35,2740.16 165.35,2710.63 155.51,2710.63 155.51,2740.16
  region: 2976.38,2190.94 2980.31,2190.94 2980.31,2157.48 2976.38,2157.48 2976.38,2190.94
  region: 1427.17,2683.07 1421.26,2683.07 1421.26,2618.11 1427.17,2618.11 1427.17,2683.07
  region: 2017.72,3033.46 2230.31,3033.46 2230.31,3017.72 2017.72,3017.72 2017.72,3033.46
  region: 5301.18,1064.96 5311.02,1064.96 5311.02,1007.87 5301.18,1007.87 5301.18,1064.96
  region: 5547.24,3021.65 5490.16,3021.65 5490.16,3029.53 5547.24,3029.53 5547.24,3021.65
  region: 726.38,1037.4 805.12,1037.4 805.12,1043.31 726.38,1043.31 726.38,1037.4
  region: 5409.45,2372.05 5425.2,2372.05 5425.2,2326.77 5409.45,2326.77 5409.45,2372.05
  region: 1767.72,2696.85 1730.31,2696.85 1730.31,2641.73 1767.72,2641.73 1767.72,2696.85
  region: 3045.28,2188.98 3039.37,2188.98 3039.37,2104.33 3045.28,2104.33 3045.28,2188.98
  region: 2297.24,332.68 2287.4,332.68 2287.4,309.06 2297.24,309.06 2297.24,332.68
  region: 5377.95,1531.5 5488.19,1531.5 5488.19,1547.24 5377.95,1547.24 5377.95,1531.5
  region: 1159.45,1641.73 1377.95,1641.73 1377.95,1409.45 1159.45,1409.45 1159.45,1641.73
  region: 437.01,2937.01 590.55,2937.01 590.55,2988.19 437.01,2988.19 437.01,2937.01
  region: 1775.59,3072.83 1781.5,3072.83 1781.5,3047.24 1775.59,3047.24 1775.59,3072.83
  region: 238.19,2568.9 275.59,2568.9 275.59,2580.71 238.19,2580.71 238.19,2568.9
  region: 131.89,2716.54 183.07,2716.54 183.07,2710.63 131.89,2710.63 131.89,2716.54
  region: 2824.8,828.74 2905.51,828.74 2905.51,842.52 2824.8,842.52 2824.8,828.74
  region: 622.05,616.14 679.13,616.14 679.13,622.05 622.05,622.05 622.05,616.14
  region: 5549.21,818.9 5541.34,818.9 5541.34,736.22 5549.21,736.22 5549.21,818.9
  region: 1200.79,350.39 1179.13,350.39 1179.13,297.24 1200.79,297.24 1200.79,350.39
  region: 2472.44,1151.57 2460.63,1151.57 2460.63,1078.74 2472.44,1078.74 2472.44,1151.57
  region: 2718.5,759.84 2767.72,759.84 2767.72,771.65 2718.5,771.65 2718.5,759.84
  region: 1291.34,3246.06 1387.8,3246.06 1387.8,3190.94 1291.34,3190.94 1291.34,3246.06
  region: 5295.28,972.44 5381.89,972.44 5381.89,974.41 5295.28,974.41 5295.28,972.44
  region: 1314.96,-9.84 1307.09,-9.84 1307.09,-39.37 1314.96,-39.37 1314.96,-9.84
  region: 3029.53,2710.63 3005.91,2710.63 3005.91,2588.58 3029.53,2588.58 3029.53,2710.63
  region: 692.91,354.33 746.06,354.33 746.06,350.39 692.91,350.39 692.91,354.33
  region: 3202.76,2328.74 3210.63,2328.74 3210.63,2259.84 3202.76,2259.84 3202.76,2328.74
  region: 3202.76,2188.98 3206.69,2188.98 3206.69,2161.42 3202.76,2161.42 3202.76,2188.98
  region: 6102.36,1568.9 6017.72,1568.9 6017.72,1553.15 6102.36,1553.15 6102.36,1568.9
  region: 944.88,1326.77 972.44,1326.77 972.44,1285.43 944.88,1285.43 944.88,1326.77
  region: 5301.18,740.16 5314.96,740.16 5314.96,679.13 5301.18,679.13 5301.18,740.16
  region: 769.69,397.64 923.23,397.64 923.23,419.29 769.69,419.29 769.69,397.64
  region: 2978.35,2179.13 3000,2179.13 3000,2169.29 2978.35,2169.29 2978.35,2179.13
  region: 1192.91,2675.2 1234.25,2675.2 1234.25,2681.1 1192.91,2681.1 1192.91,2675.2
  region: 3053.15,2661.42 3027.56,2661.42 3027.56,2566.93 3053.15,2566.93 3053.15,2661.42
  region: 1000,1275.59 1023.62,1275.59 1023.62,1250 1000,1250 1000,1275.59
  region: 5728.35,2663.39 5767.72,2663.39 5767.72,2649.61 5728.35,2649.61 5728.35,2663.39
  region: 5326.77,1970.47 5531.5,1970.47 5531.5,1753.94 5326.77,1753.94 5326.77,1970.47
  region: 2472.44,1246.06 2460.63,1246.06 2460.63,1208.66 2472.44,1208.66 2472.44,1246.06
  region: 677.17,3055.12 783.46,3055.12 783.46,2840.55 677.17,2840.55 677.17,3055.12
  region: 4234.25,1616.14 4250,1616.14 4250,1539.37 4234.25,1539.37 4234.25,1616.14
  region: 2938.98,1.97 3043.31,1.97 3043.31,17.72 2938.98,17.72 2938.98,1.97
  region: 1307.09,3344.49 1338.58,3344.49 1338.58,3303.15 1307.09,3303.15 1307.09,3344.49
  region: 974.41,1143.7 950.79,1143.7 950.79,1049.21 974.41,1049.21 974.41,1143.7
  region: 5385.83,2257.87 5389.76,2257.87 5389.76,2295.28 5385.83,2295.28 5385.83,2257.87
  region: 3222.44,2757.87 3232.28,2757.87 3232.28,2486.22 3222.44,2486.22 3222.44,2757.87
  region: 990.16,3305.12 1127.95,3305.12 1127.95,3246.06 990.16,3246.06 990.16,3305.12
  region: 1848.43,3309.06 1992.13,3309.06 1992.13,3250 1848.43,3250 1848.43,3309.06
  region: 4545.28,328.74 4515.75,328.74 4515.75,338.58 4545.28,338.58 4545.28,328.74
  region: 968.5,1259.84 996.06,1259.84 996.06,1232.28 968.5,1232.28 968.5,1259.84
  region: 5527.56,716.54 5553.15,716.54 5553.15,724.41 5527.56,724.41 5527.56,716.54
  region: 1066.93,500 1102.36,500 1102.36,515.75 1066.93,515.75 1066.93,500
  region: 1730.31,2716.54 1746.06,2716.54 1746.06,2687.01 1730.31,2687.01 1730.31,2716.54
  region: 165.35,533.46 336.61,533.46 336.61,488.19 165.35,488.19 165.35,533.46
  region: 135.83,2511.81 251.97,2511.81 251.97,2490.16 135.83,2490.16 135.83,2511.81
  region: 3155.51,2066.93 3151.57,2066.93 3151.57,2094.49 3155.51,2094.49 3155.51,2066.93
  region: 5490.16,2372.05 5496.06,2372.05 5496.06,2309.06 5490.16,2309.06 5490.16,2372.05
Power:
  region: 1657.15,1500 ccw(c1645.67,1500) 1645.67,1511.48 ccw(c1645.67,1500) 1634.19,1500 ccw(c1645.67,1500) 1645.67,1488.52 ccw(c1645.67,1500)
  region: 3281.5,3377.95 3289.37,3377.95 3289.37,3354.33 3281.5,3354.33 3281.5,3377.95
  region: 3356.3,3301.18 3368.11,3301.18 3368.11,3242.13 3356.3,3242.13 3356.3,3301.18
  region: 5310.45,2305.12 ccw(c5297.24,2305.12) 5297.24,2318.32 ccw(c5297.24,2305.12) 5284.04,2305.12 ccw(c5297.24,2305.12) 5297.24,2291.91 ccw(c5297.24,2305.12)